# Altium PCB FlatSat Half1.PcbDoc (part 8 of 9) (continued)
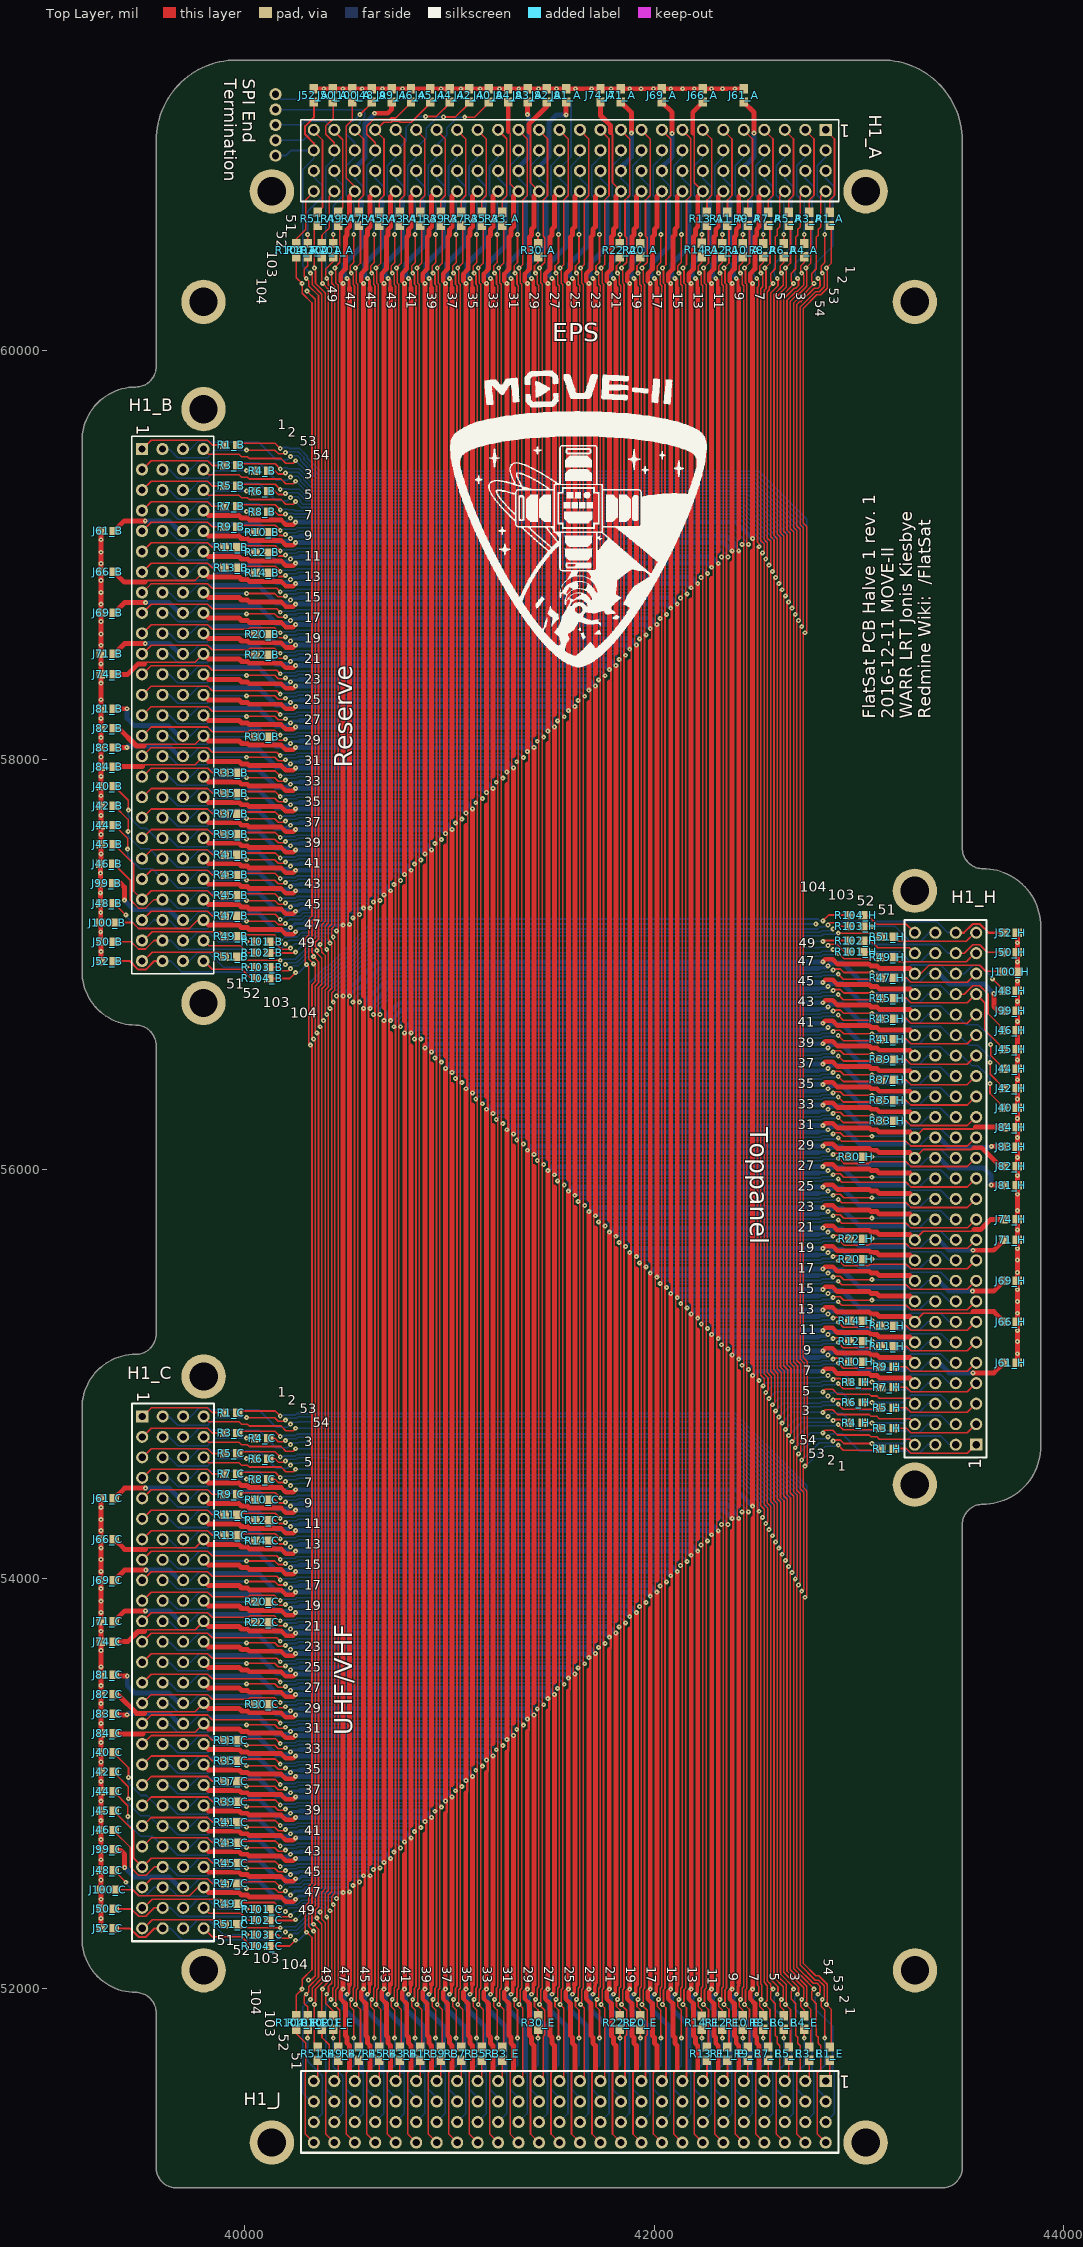
[diagram p0: Top Layer view]
## Nets (pads, with @x,y where several pads share a name; then routed paths per layer and width w, separated by ;. In a path a pad name is that pad's centre, name@x,y a point inside that pad or via, vN(x,y) a via of type N, cw(c..) or ccw(c..) an arc to the next point about the centre after c; other vN are vias at no path point) (continued)
NetH1_H_30: H1_H.30 R30_H.1 | length 486.5
  Top Layer w8: R30_H.1@43018.81,56061 v1(43062,56061)
  Bottom Layer w8: v1(43062,56061) 43216,56061 43252.47,56097.47 43398.53,56097.47 43440,56056 H1_H.30@43473,56056
NetH1_H_33: H1_H.33 R33_H.2 | length 427
  Top Layer w8: R33_H.2@43170.48,56236 43230.38,56236 43252.9,56213.47 43527.99,56213.47 H1_H.33@43570.52,56256
NetH1_H_35: H1_H.35 R35_H.1 | length 427
  Top Layer w8: R35_H.1@43170.48,56336 43230.38,56336 43252.9,56313.47 43527.99,56313.47 H1_H.35@43570.52,56356
NetH1_H_37: H1_H.37 R37_H.2 | length 427
  Top Layer w8: R37_H.2@43170.48,56436 43230.38,56436 43252.9,56413.47 43527.99,56413.47 H1_H.37@43570.52,56456
NetH1_H_39: H1_H.39 R39_H.2 | length 427
  Top Layer w8: R39_H.2@43170.48,56536 43230.38,56536 43252.9,56513.47 43527.99,56513.47 H1_H.39@43570.52,56556
NetH1_H_41: H1_H.41 R41_H.2 | length 427
  Top Layer w8: R41_H.2@43170.48,56636 43230.38,56636 43252.9,56613.47 43527.99,56613.47 H1_H.41@43570.52,56656
NetH1_H_43: H1_H.43 R43_H.2 | length 427
  Top Layer w8: R43_H.2@43170.48,56736 43230.38,56736 43252.9,56713.47 43527.99,56713.47 H1_H.43@43570.52,56756
NetH1_H_45: H1_H.45 J45_H.1 R45_H.2 | length 752.4
  Top Layer w8: R45_H.2@43170.48,56836 43230.38,56836 43252.9,56813.47 43527.99,56813.47 H1_H.45@43570.52,56856 ; H1_H.45@43572,56855 43613.53,56813.47 43613.53,56679.68 J45_H.1@43707.52,56585.69
NetH1_H_47: H1_H.47 R47_H.2 | length 427
  Top Layer w8: R47_H.2@43170.48,56936 43230.38,56936 43252.9,56913.47 43527.99,56913.47 H1_H.47@43570.52,56956
NetH1_H_49: H1_H.49 R49_H.2 | length 427
  Top Layer w8: R49_H.2@43170.48,57036 43193.01,57013.47 43523.05,57013.47 43565.57,57056 H1_H.49@43570.52,57056
NetH1_H_51: H1_H.51 R51_H.2 | length 427
  Top Layer w8: R51_H.2@43170.48,57136 43193.01,57113.47 43523.05,57113.47 43565.57,57156 H1_H.51@43570.52,57156
NetH1_H_101: H1_H.101 R101_H.1 | length 393.3
  Top Layer w8: R101_H.1@43010.48,57061 43048,57061 ; R101_H.1@43023.81,57061.33 R101_H.1@43033.81,57061.33
  Bottom Layer w8: v1(43062,57061) 43202,57061 43249.53,57013.47 43300.47,57013.47 43343,57056 H1_H.101@43370.52,57056
NetH1_H_102: H1_H.102 R102_H.2 | length 261.7
  Top Layer w8: R102_H.2@43033.81,57116.33 43034.14,57116 43056,57116 43091,57081 43245.52,57081 H1_H.102@43270.52,57056
NetH1_H_103: H1_H.103 R103_H.2 | length 383.7
  Top Layer w8: R103_H.2@43028,57186 R103_H.2@43038,57186 ; R103_H.2@43033.81,57186.33 v1@43051.33,57186.33
  Bottom Layer w8: v1(43062,57186) 43175,57186 43247.53,57113.47 43300.47,57113.47 43343,57156 H1_H.103@43370.52,57156
NetH1_H_104: H1_H.104 R104_H.1 | length 272.7
  Top Layer w8: R104_H.1@43033,57241 43040.94,57241 43086,57195.94 43230.58,57195.94 H1_H.104@43270.52,57156
PAYLOAD_SS1: R1_A.1 R1_B.1 R1_C.1 R1_E.1 R1_H.1 | length 16524.5
  Top Layer w8: R1_C.1@39965.48,54812 39965.48,54819.67 40148.33,54819.67 v1(40173,54795) ; R1_B.1@39965.48,59537 39965.48,59544.67 40148.33,59544.67 v1(40173,59520) ; 42728,54541 42728,54446 42745,54429 42745,53919 v1(42736,53910) 42728,53902 42728,52121.02 42788.02,52061 42803.25,52061 42845,52019.25 42845,51935 42840,51930 v1(42840,51921) 42864.67,51896.33 42864.67,51713.48 R1_E.1@42857,51713.48 ; v1@42728,54542 v1(42736,54550) 42747.25,54561.25 42747.25,55060.84 42728,55080.1 42728,58620 v1(42736,58620) ; v1@42744,58620 42744,59139.16 42728,59155.16 42728,60204.29 42793.71,60270 42812.25,60270 42845,60302.75 42845,60387 42840,60392 v1(42840,60401) 42864.67,60425.67 42864.67,60608.52 R1_A.1@42857,60608.52 ; v1(42898,54653) 42922.67,54628.33 43105.52,54628.33 R1_H.1@43105.52,54636
  Bottom Layer w8: v1(40173,54795) 40182,54795 40187,54800 40245.78,54800 40252.78,54807 42393.63,54807 42745,54455.63 42745,53920 v1@42735,53910 ; v1(40173,59520) 40182,59520 40187,59525 40212,59525 40217,59520 40267.2,59520 40304.82,59482.37 40304.82,59472.88 40369.71,59408 42510,59408 42744,59174 v1@42744,58620 ; v1@42738,54550 42836,54648 42884,54648 42889,54653 v1(42898,54653)
PAYLOAD_SS2: R3_A.1 R3_B.1 R3_C.1 R3_E.1 R3_H.1 | length 16050.1
  Top Layer w8: R3_C.1@39965.48,54712 39965.48,54719.67 40148.33,54719.67 v1(40173,54695) ; R3_B.1@39965.48,59437 39965.48,59444.67 40148.33,59444.67 v1(40173,59420) ; v1(42672,58740) 42664,58740 42664,55053.59 42683.25,55034.33 42683.25,54681.25 v1(42672,54670) 42664,54662 42664,54419.49 42681,54402.49 42681,54039 v1(42672,54030) 42664,54022 42664,52091.2 42745,52010.2 42745,51935 42740,51930 v1(42740,51921) 42764.67,51896.33 42764.67,51713.48 R3_E.1@42757,51713.48 ; v1@42680,58740 42680,59112.65 42664,59128.65 42664,60237.49 42696.51,60270 42703.2,60270 42745,60311.8 42745,60387 42740,60392 v1(42740,60401) 42764.67,60425.67 42764.67,60608.52 R3_A.1@42757,60608.52 ; v1(42898,54753) 42922.67,54728.33 43105.52,54728.33 R3_H.1@43105.52,54736
  Bottom Layer w8: v1(40173,54695) 40182,54695 40187,54700 40245.78,54700 40252.78,54707 42402.27,54707 42680,54429.27 42680,54062 ; v1(40173,59420) 40182,59420 40187,59425 40207,59425 40211,59421 40266.2,59421 40304,59383.2 40304,59373.71 40333.71,59344 42476.22,59344 42680,59140.22 v1@42680,58740 ; v1@42671,54028 42671,54041.06 42680,54050.06 42680,54060 ; v1(42672,54670) 42750,54748 42884,54748 42889,54753 v1(42898,54753)
PAYLOAD_SS3: R5_A.1 R5_B.1 R5_C.1 R5_E.1 R5_H.1 | length 15582.3
  Top Layer w8: R5_C.1@39965.48,54612 39965.48,54619.67 40148.33,54619.67 v1(40173,54595) ; R5_B.1@39965.48,59337 39965.48,59344.67 40148.33,59344.67 v1(40173,59320) ; v1(42608,58860) 42600,58860 42600,55027.08 42619.25,55007.82 42619.25,54801.25 v1(42608,54790) 42600,54782 42600,54390.37 42617,54373.37 42617,54159 v1(42608,54150) 42600,54142 42600,52062 42645,52017 42645,51935 42640,51930 v1(42640,51921) 42664.67,51896.33 42664.67,51713.48 R5_E.1@42657,51713.48 ; v1@42616,58860 42616,59086.14 42600,59102.14 42600,60264 42645,60309 42645,60387 42640,60392 v1(42640,60401) 42664.67,60425.67 42664.67,60608.52 R5_A.1@42657,60608.52 ; v1(42898,54853) 42922.67,54828.33 43105.52,54828.33 R5_H.1@43105.52,54836
  Bottom Layer w8: v1(40173,54595) 40182,54595 40187,54600 40245.78,54600 40252.78,54607 42411.76,54607 42616,54402.76 42616,54170.06 42608,54162.06 v1@42608,54151 ; v1(40173,59320) 40177,59324 40209,59324 40213,59320 40267.2,59320 40307.2,59280 42449.71,59280 42616,59113.71 v1@42616,58860 ; v1(42608,54790) 42659,54841 42818.22,54841 42825.22,54848 42884,54848 42889,54853 v1(42898,54853)
PAYLOAD_SS4: R7_A.1 R7_B.1 R7_C.1 R7_E.1 R7_H.1 | length 15133.1
  Top Layer w8: R7_C.1@39965.48,54512 39965.48,54519.67 40148.33,54519.67 v1(40173,54495) ; R7_B.1@39965.48,59237 39965.48,59244.67 40148.33,59244.67 v1(40173,59220) ; v1(42544,58980) 42536,58980 42536,55000.57 42555.25,54981.31 42555.25,54921.25 v1(42544,54910) 42536,54902 42536,54362.57 42553,54345.57 42553,54279 v1(42544,54270) 42536,54262 42536,52029 42552,52013 42552,51942 42540,51930 v1(42540,51921) 42564.67,51896.33 42564.67,51713.48 R7_E.1@42557,51713.48 ; v1@42552,58980 42552,59059.63 42536,59075.63 42536,60292 42545,60301 42545,60387 42540,60392 v1(42540,60401) 42564.67,60425.67 42564.67,60608.52 R7_A.1@42557,60608.52 ; v1(42898,54953) 42922.67,54928.33 43105.52,54928.33 R7_H.1@43105.52,54936
  Bottom Layer w8: v1(40173,54495) 40182,54495 40187,54500 40245.78,54500 40252.78,54507 42421.25,54507 42552,54376.25 42552,54279 v1@42543,54270 ; v1(40173,59220) 40177,59224 40209,59224 40213,59220 40239.57,59220 40243.57,59216 42423.2,59216 42552,59087.2 v1@42552,58980 ; v1@42544,54911 42574,54941 42818.22,54941 42825.22,54948 42884,54948 42889,54953 v1(42898,54953)
PAYLOAD_SS5: R9_A.1 R9_B.1 R9_C.1 R9_E.1 R9_H.1 | length 14716
  Top Layer w8: R9_C.1@39965.48,54412 39965.48,54419.67 40148.33,54419.67 v1(40173,54395) ; R9_B.1@39965.48,59137 39965.48,59144.67 40148.33,59144.67 v1(40173,59120) ; R9_E.1@42457,51713.48 42464.67,51713.48 42464.67,51896.33 v1(42440,51921) 42440,51930 42445,51935 42445,51993.78 42452,52000.78 42452,60321.22 42445,60328.22 42445,60387 42440,60392 v1(42440,60401) 42464.67,60425.67 42464.67,60608.52 R9_A.1@42457,60608.52 ; v1(42898,55053) 42922.67,55028.33 43105.52,55028.33 R9_H.1@43105.52,55036
  Bottom Layer w8: v1(40173,54395) 40182,54395 40187,54400 40245.78,54400 40252.78,54407 42382,54407 v1@42460,54329 ; v1(40173,59120) 40182,59120 40187,59125 40245.78,59125 40252.78,59132 42382,59132 v1@42460,59054 ; v1(42460,55023) 42478,55041 42818.22,55041 42825.22,55048 42884,55048 42889,55053 v1(42898,55053)
  other v1: 42460,54327 42460,59052
PCM_IN_1: H1_A.87 H1_B.87 H1_C.87 H1_H.87 H1_J.87 | length 14992.3
  Top Layer w8: v1(41112,53035) 41104,53043 41104,53087 41112,53095 ; 41112,56313 41104,56321 41104,56365 v1(41112,56373) ; v1(41112,57760) 41104,57768 41104,57812 41112,57820
  Top Layer w16: v1(41100,51971) 41109,51980 41109,52010 41112,52013 41112,52018 ; v1(41100,60351) 41109,60342 41109,60312 41112,60309 41112,60304
  Top Layer w24: 41112,52018 v1(41112,53035) ; 41112,53095 41112,56313 ; v1(41112,56373) v1(41112,57760) ; 41112,57820 41112,60304
  Bottom Layer w8: H1_C.87@39698,53092 39735,53092 39777.53,53134.53 39823.47,53134.53 39833,53125 39848,53125 ; H1_B.87@39698,57817 39735,57817 39776.53,57858.53 39824.47,57858.53 39833,57850 39848,57850 ; H1_J.87@41137,51347 41178.53,51388.53 41178.53,51587.47 41170,51596 ; H1_A.87@41137,60876 41137,60839 41178.53,60797.47 41178.53,60749.53 41170,60741 41170,60726 ; 43223,56323 43238,56323 43247.53,56313.47 43293.47,56313.47 43336,56356 H1_H.87@43373,56356
  Bottom Layer w16: v1(40223,53055) 40232,53064 40262,53064 ; v1(40223,57780) 40232,57789 40262,57789 ; 40265,53067 40270,53067 ; 40265,57792 40270,57792 ; 42801,56381 42806,56381 ; 42809,56384 42839,56384 v1(42848,56393)
  Bottom Layer w22: 40208,53040 v1(40223,53055) ; 40208,57765 v1(40223,57780) ; 41085,51956 v1(41100,51971) ; 41085,60366 v1(41100,60351) ; v1(42848,56393) 42863,56408
  Bottom Layer w24: 39848,53125 40068,53125 40153,53040 40208,53040 ; 39848,57850 40068,57850 40153,57765 40208,57765 ; 40270,53067 41080,53067 v1(41112,53035) ; 40270,57792 41080,57792 v1(41112,57760) ; 41085,51956 41085,51901 41170,51816 41170,51596 ; 41085,60366 41085,60421 41170,60506 41170,60726 ; v1(41112,56373) 41120,56381 42801,56381 ; 42863,56408 42918,56408 43003,56323 43223,56323
PCM_IN_2: H1_A.88 H1_B.88 H1_C.88 H1_H.88 H1_J.88 | length 14491.5
  Top Layer w8: 41080,57680 41088,57688 41088,57732 v1(41080,57740) ; 41112,51604 41095.47,51587.47 41095.47,51288.53 H1_J.88@41137,51247
  Top Layer w12: 41080,52955 41086,52961 41086,53009 v1(41080,53015) ; v1@41080,56394 41086,56400 41086,56447 41080,56453
  Top Layer w22: 40177,53046 40200,53023 40236.25,53023 v1@40248.13,53034.87 ; 40177,57771 40200,57748 40236.25,57748 v1@40248.13,57759.87 ; v1@41079.87,51996.13 41068,51984.25 41068,51948 41091,51925 ; v1@41079.87,60325.87 41068,60337.75 41068,60374 41091,60397 ; v1(41080,51996) 41080,52954 ; v1(41080,56393) v1@41080,56394 ; 42834.75,56425 42871,56425 42894,56402
  Top Layer w24: H1_C.88@39798,53092 39823,53067 39972,53067 39984,53055 40012.6,53055 40021.6,53046 40177,53046 ; H1_B.88@39798,57817 39823,57792 39972,57792 39984,57780 40012.6,57780 40021.6,57771 40177,57771 ; v1(41080,53015) v1(41080,56393) ; 41080,56453 41080,57680 ; v1(41080,57740) v1(41080,60326) ; 41091,51925 41091,51769.6 41100,51760.6 41100,51732 41112,51720 41112,51604 ; 41091,60397 41091,60552.4 41100,60561.4 41100,60590 41112,60602 41112,60751 H1_A.88@41137,60776 ; 42894,56402 43049.4,56402 43058.4,56393 43087,56393 43099,56381 43248,56381 H1_H.88@43273,56356
  Bottom Layer w24: v1(40248,53035) 41060,53035 v1(41080,53015) ; v1(40248,57760) 41060,57760 v1(41080,57740) ; v1(41080,56393) 41100,56413 v1(42823,56413)
PWM2SMARD_A: R12_A.2 R12_B.2 R12_C.2 R12_E.2 R12_H.2 | length 13747.3
  Top Layer w8: R12_C.2@40117.15,54287 R12_C.2@40117.48,54287 40146,54287 40163,54270 40193,54270 v1(40198,54275) ; R12_B.2@40117.15,59012 R12_B.2@40117.48,59012 40146,59012 40163,58995 40193,58995 v1(40198,59000) ; R12_E.2@42332,51865.15 R12_E.2@42332,51865.48 42332,51894 42315,51911 42315,51941 v1(42320,51946) 42329,51955 42329,52000.41 42336.03,52007.44 42336.03,52027.32 ; R12_A.2@42332,60456.85 R12_A.2@42332,60456.52 42332,60428 42315,60411 42315,60381 v1(42320,60376) 42329,60367 42329,60321.59 42336,60314.59 42336,52027.35 ; v1(42873,55173) 42878,55178 42908,55178 42925,55161 R12_H.2@42953.52,55161 R12_H.2@42953.85,55161
  Bottom Layer w8: v1(40198,54275) 40207,54284 40252.41,54284 40259.41,54291 42303,54291 v1@42329,54265 ; v1(40198,59000) 40207,59009 40252.41,59009 40259.41,59016 42303,59016 v1@42329,58990 ; v1(42328,55143) 42342,55157 42811.59,55157 42818.59,55164 42864,55164 v1(42873,55173)
  other v1: 42328,54265 42328,58990
PWM2SMARD_B: R14_A.2 R14_B.2 R14_C.2 R14_E.2 R14_H.2 | length 13643.9
  Top Layer w8: R14_C.2@40117.15,54187 40146,54187 40163,54170 40193,54170 v1(40198,54175) ; R14_B.2@40117.15,58912 40146,58912 40163,58895 40193,58895 v1(40198,58900) ; R14_E.2@42232,51865.15 42232,51894 42215,51911 42215,51941 v1(42220,51946) 42229,51955 42229,52000.41 42236,52007.41 42236,60314.59 42229,60321.59 42229,60367 v1(42220,60376) 42215,60381 42215,60411 42232,60428 R14_A.2@42232,60456.85 ; v1(42873,55273) 42878,55278 42908,55278 42925,55261 R14_H.2@42953.85,55261
  Bottom Layer w8: v1(40198,54175) 40207,54184 40252.41,54184 40259.41,54191 42202,54191 v1(42228,54165) ; v1(40198,58900) 40207,58909 40252.41,58909 40259.41,58916 42202,58916 v1(42228,58890) ; v1(42229,55244) 42242,55257 42811.59,55257 42818.59,55264 42864,55264 v1(42873,55273)
RBF_SW_1: H1_A.89 H1_B.89 H1_C.89 H1_H.89 H1_J.89 | length 14892.3
  Top Layer w8: v1(41012,52935) 41004,52943 41004,52987 41012,52995 ; 41012,56413 41004,56421 41004,56465 v1(41012,56473) ; v1(41012,57660) 41004,57668 41004,57712 41012,57720
  Top Layer w16: v1(41000,51971) 41009,51980 41009,52010 41012,52013 41012,52018 ; v1(41000,60351) 41009,60342 41009,60312 41012,60309 41012,60304
  Top Layer w24: 41012,52018 v1(41012,52935) ; 41012,52995 41012,56413 ; v1(41012,56473) v1(41012,57660) ; 41012,57720 41012,60304
  Bottom Layer w8: H1_C.89@39698,52992 39735,52992 39777.53,53034.53 39823.47,53034.53 39833,53025 39848,53025 ; H1_B.89@39698,57717 39735,57717 39776.53,57758.53 39824.47,57758.53 39833,57750 39848,57750 ; H1_J.89@41037,51347 41078.53,51388.53 41078.53,51587.47 41070,51596 ; H1_A.89@41037,60876 41037,60839 41078.53,60797.47 41078.53,60749.53 41070,60741 41070,60726 ; 43223,56423 43238,56423 43247.53,56413.47 43293.47,56413.47 43336,56456 H1_H.89@43373,56456
  Bottom Layer w16: v1(40223,52955) 40232,52964 40262,52964 ; v1(40223,57680) 40232,57689 40262,57689 ; 40265,52967 40270,52967 ; 40265,57692 40270,57692 ; 42801,56481 42806,56481 ; 42809,56484 42839,56484 v1(42848,56493)
  Bottom Layer w22: 40208,52940 v1(40223,52955) ; 40208,57665 v1(40223,57680) ; 40985,51956 v1(41000,51971) ; 40985,60366 v1(41000,60351) ; v1(42848,56493) 42863,56508
  Bottom Layer w24: 39848,53025 40068,53025 40153,52940 40208,52940 ; 39848,57750 40068,57750 40153,57665 40208,57665 ; 40270,52967 40980,52967 v1(41012,52935) ; 40270,57692 40980,57692 v1(41012,57660) ; 40985,51956 40985,51901 41070,51816 41070,51596 ; 40985,60366 40985,60421 41070,60506 41070,60726 ; v1(41012,56473) 41020,56481 42801,56481 ; 42863,56508 42918,56508 43003,56423 43223,56423
RBF_SW_2: H1_A.90 H1_B.90 H1_C.90 H1_H.90 H1_J.90 | length 14409.2
  Top Layer w8: 40980,57580 40988,57588 40988,57632 v1(40980,57640) ; 41012,51604 40995.47,51587.47 40995.47,51288.53 H1_J.90@41037,51247
  Top Layer w12: 40980,52855 40986,52861 40986,52909 v1(40980,52915) ; v1@40980,56492 40986,56498 40986,56547 40980,56553
  Top Layer w22: 40177,52946 40200,52923 40236.25,52923 v1@40248.13,52934.87 ; 40177,57671 40200,57648 40236.25,57648 v1@40248.13,57659.87 ; v1@40979.87,51996.13 40968,51984.25 40968,51948 40991,51925 ; v1@40979.87,60325.87 40968,60337.75 40968,60374 40991,60397 ; v1(40980,51996) 40980,52855 ; v1@42822.87,56513.13 42834.75,56525 42871,56525 42894,56502
  Top Layer w24: H1_C.90@39798,52992 39823,52967 39972,52967 39984,52955 40012.6,52955 40021.6,52946 40177,52946 ; H1_B.90@39798,57717 39823,57692 39972,57692 39984,57680 40012.6,57680 40021.6,57671 40177,57671 ; v1(40980,52915) v1@40980,56492 ; 40980,56553 40980,57580 ; v1(40980,57640) v1(40980,60326) ; 40991,51925 40991,51769.6 41000,51760.6 41000,51732 41012,51720 41012,51604 ; 40991,60397 40991,60552.4 41000,60561.4 41000,60590 41012,60602 41012,60751 H1_A.90@41037,60776 ; 42894,56502 43049.4,56502 43058.4,56493 43087,56493 43099,56481 43248,56481 H1_H.90@43273,56456
  Bottom Layer w24: v1(40248,52935) 40960,52935 v1(40980,52915) ; v1(40248,57660) 40960,57660 v1(40980,57640) ; v1(40980,56493) 41000,56513 v1(42823,56513)
RESERVED_1: H1_A.2 H1_B.2 H1_C.2 H1_H.2 H1_J.2 | length 18283.2
  Top Layer w8: v1(40009,54787) 40146,54787 40163,54770 40193,54770 v1(40198,54775) ; v1(40009,59512) 40146,59512 40163,59495 40193,59495 v1(40198,59500) ; v1(42720,58650) 42712,58650 42712,55073.47 42731.25,55054.22 42731.25,54591.25 v1(42720,54580) 42712,54572 42712,54439.37 42729,54422.37 42729,53949 v1(42720,53940) 42712,53932 42712,52114.39 42786.2,52040.2 42801.43,52040.2 42829,52012.63 42829,51955 v1(42820,51946) 42815,51941 42815,51911 42832,51894 v1(42832,51757) ; v1@42728,58650 42728,59132.53 42712,59148.53 42712,60210.92 42787.08,60286 42805.63,60286 42829,60309.37 42829,60367 v1(42820,60376) 42815,60381 42815,60411 42832,60428 v1(42832,60565) ; v1(42873,54673) 42878,54678 42908,54678 42925,54661 v1(43062,54661)
  Bottom Layer w8: H1_C.2@39598,54792 39631,54792 39672.47,54750.53 39818.53,54750.53 39855,54787 v1(40009,54787) ; H1_B.2@39598,59517 39631,59517 39673,59475 39818,59475 39855,59512 v1(40009,59512) ; v1(40198,54775) 40207,54784 40252.41,54784 40259.41,54791 42387,54791 42729,54449 42729,53949 v1(42720,53940) ; v1(40198,59500) 40202,59504 40260.57,59504 40288.82,59475.75 40288.82,59466.25 40352,59403.08 40352,59396.45 40356.45,59392 42500,59392 42728,59164 v1@42728,58650 ; v1@42722,54580 42806,54664 42864,54664 v1(42873,54673) ; v1(42832,51757) 42832,51624 42795.47,51587.47 42795.47,51507.53 42837,51466 H1_J.2@42837,51447 ; v1(42832,60565) 42832,60719 42795,60756 42795,60901 42837,60943 H1_A.2@42837,60976 ; v1(43062,54661) 43216,54661 43252.47,54697.47 43398.53,54697.47 43440,54656 H1_H.2@43473,54656
RESERVED_2: H1_A.53 H1_B.53 H1_C.53 H1_H.53 H1_J.53 | length 17981.3
  Top Layer w8: 42696,54601 42696,54432.75 42713,54415.75 42713,53979 v1(42704,53970) 42696,53962 42696,52104.63 42776.43,52024.2 42794.8,52024.2 42809,52010 42809,51980 v1(42800,51971) ; v1@42696,54602 v1(42704,54610) 42715.25,54621.25 42715.25,55047.59 42696,55066.84 42696,58680 v1(42704,58680) ; v1@42712,58680 42712,59125.9 42696,59141.9 42696,60223.37 42710.63,60238 42716.45,60238 42780.45,60302 42799,60302 42809,60312 42809,60342 v1(42800,60351)
  Bottom Layer w8: H1_C.53@39698,54792 39735,54792 39778,54835 39823,54835 39833,54825 40068,54825 40153,54740 40208,54740 v1(40223,54755) 40232,54764 40262,54764 40265,54767 42387.53,54767 42712,54442.53 42712,53977 v1@42705,53970 ; H1_B.53@39698,59517 39735,59517 39776.53,59558.53 39824.47,59558.53 39833,59550 40068,59550 40153,59465 40208,59465 v1(40223,59480) 40227,59484 40257.94,59484 40272.82,59469.12 40272.82,59459.63 40336,59396.45 40336,59386.96 40346.96,59376 42489.47,59376 42712,59153.47 v1@42712,58680 ; v1(42704,54610) 42778,54684 42839,54684 v1(42848,54693) 42863,54708 42918,54708 43003,54623 43238,54623 43248,54613 43293,54613 43336,54656 H1_H.53@43373,54656 ; v1(42800,51971) 42785,51956 42785,51901 42870,51816 42870,51596 42878.53,51587.47 42878.53,51388.53 H1_J.53@42837,51347 ; v1(42800,60351) 42785,60366 42785,60421 42870,60506 42870,60741 42878.53,60749.53 42878.53,60797.47 42837,60839 H1_A.53@42837,60876
RESERVED_3: H1_A.55 H1_B.55 H1_C.55 H1_H.55 H1_J.55 | length 17503.1
  Top Layer w8: v1(42640,58800) 42632,58800 42632,55040.33 42651.25,55021.08 42651.25,54741.25 v1(42640,54730) 42632,54722 42632,54405.37 42649,54388.37 42649,54099 v1(42640,54090) 42632,54082 42632,52077.94 42704,52005.94 42704,51967 v1(42700,51971) ; v1@42648,58800 42648,59099.39 42632,59115.39 42632,60250.75 42683.25,60302 42689.94,60302 42704,60316.06 42704,60337 42709,60342 v1(42700,60351)
  Bottom Layer w8: H1_C.55@39698,54692 39735,54692 39777.53,54734.53 39823.47,54734.53 39833,54725 40068,54725 40153,54640 40208,54640 v1(40223,54655) 40232,54664 40262,54664 40265,54667 42397.02,54667 42648,54416.02 42648,54098 v1(42640,54090) ; H1_B.55@39698,59417 39735,59417 39776.53,59458.53 39824.47,59458.53 39833,59450 40068,59450 40153,59365 40208,59365 v1(40223,59380) 40227,59384 40257.94,59384 40272,59369.94 40272,59360.45 40320.45,59312 42462.96,59312 42648,59126.96 v1@42648,58800 ; v1(42640,54730) 42694,54784 42839,54784 v1(42848,54793) 42863,54808 42918,54808 43003,54723 43238,54723 43247.53,54713.47 43293.47,54713.47 43336,54756 H1_H.55@43373,54756 ; v1(42700,51971) 42685,51956 42685,51901 42770,51816 42770,51596 42778.53,51587.47 42778.53,51388.53 H1_J.55@42737,51347 ; v1(42700,60351) 42685,60366 42685,60421 42770,60506 42770,60741 42778.53,60749.53 42778.53,60797.47 42737,60839 H1_A.55@42737,60876
RESERVED_4: H1_A.57 H1_B.57 H1_C.57 H1_H.57 H1_J.57 | length 17033.4
  Top Layer w8: v1(42576,58920) 42568,58920 42568,55013.82 42587.25,54994.57 42587.25,54861.25 v1(42576,54850) 42568,54842 42568,54377.12 42585,54360.12 42585,54219 v1(42576,54210) 42568,54202 42568,52043.25 42604,52007.25 42604,51985 42600,51981 v1(42600,51971) ; v1@42584,58920 42584,59072.88 42568,59088.88 42568,60278.75 42604,60314.75 42604,60337 42609,60342 v1(42600,60351)
  Bottom Layer w8: H1_C.57@39698,54592 39735,54592 39777.53,54634.53 39823.47,54634.53 39833,54625 40068,54625 40153,54540 40208,54540 v1(40223,54555) 40232,54564 40262,54564 40265,54567 42406.51,54567 42584,54389.51 42584,54219 v1@42577,54212 ; H1_B.57@39698,59317 39735,59317 39776.53,59358.53 39824.47,59358.53 39833,59350 40068,59350 40153,59265 40208,59265 v1(40223,59280) 40227,59284 40257.94,59284 40272,59269.94 40272,59258.63 40282.63,59248 42436.45,59248 42584,59100.45 v1@42584,58920 ; v1@42576,54851 42606,54881 42806,54881 42809,54884 42839,54884 v1(42848,54893) 42863,54908 42918,54908 43003,54823 43238,54823 43247.53,54813.47 43293.47,54813.47 43336,54856 H1_H.57@43373,54856 ; v1(42600,51971) 42585,51956 42585,51901 42670,51816 42670,51596 42678.53,51587.47 42678.53,51388.53 H1_J.57@42637,51347 ; v1(42600,60351) 42585,60366 42585,60421 42670,60506 42670,60741 42678.53,60749.53 42678.53,60797.47 42637,60839 H1_A.57@42637,60876
RESERVED_5: H1_A.59 H1_B.59 H1_C.59 H1_H.59 H1_J.59 | length 16556.2
  Top Layer w8: v1(42500,51971) 42509,51980 42509,52010 42504,52015 42504,54322 v1(42512,54330) 42504,54338 42504,54960 v1(42512,54968) 42504,54976 42504,59040 v1(42512,59040) ; v1(42500,60351) 42509,60342 42509,60312 42504,60307 42504,59062.37 42520,59046.37 v1@42520,59040
  Bottom Layer w8: H1_C.59@39698,54492 39735,54492 39777.53,54534.53 39823.47,54534.53 39833,54525 40068,54525 40153,54440 40208,54440 v1(40223,54455) 40232,54464 40262,54464 40265,54467 42416,54467 42512,54371 v1(42512,54330) ; H1_B.59@39698,59217 39735,59217 39776.53,59258.53 39824.47,59258.53 39833,59250 40068,59250 40153,59165 40208,59165 v1(40223,59180) 40227,59184 42409.94,59184 42520,59073.94 v1@42520,59040 ; v1(42500,51971) 42485,51956 42485,51901 42570,51816 42570,51596 42578.53,51587.47 42578.53,51388.53 H1_J.59@42537,51347 ; v1(42500,60351) 42485,60366 42485,60421 42570,60506 42570,60741 42578.53,60749.53 42578.53,60797.47 42537,60839 H1_A.59@42537,60876 ; v1@42511,54968 42524,54981 42806,54981 42809,54984 42839,54984 v1(42848,54993) 42863,55008 42918,55008 43003,54923 43238,54923 43247.53,54913.47 43293.47,54913.47 43336,54956 H1_H.59@43373,54956
RESERVED_6: H1_A.54 H1_B.54 H1_C.54 H1_H.54 H1_J.54 | length 17388.2
  Top Layer w8: H1_C.54@39798,54792 39823,54767 39972,54767 39984,54755 40012.6,54755 40021.6,54746 40177,54746 40200,54723 40236.25,54723 v1@40248.13,54734.87 ; H1_B.54@39798,59517 39823,59492 39972,59492 39984,59480 40012.6,59480 40021.6,59471 40177,59471 40200,59448 40236.25,59448 v1@40248.13,59459.87 ; v1(42688,58710) 42680,58710 42680,55060.22 42699.25,55040.96 42699.25,54651.25 v1(42688,54640) 42680,54632 42680,54426.12 42697,54409.12 42697,54009 v1(42688,54000) 42680,53992 42680,52098 42749,52029 42749,52028.82 42780,51997.82 v1(42780,51996) ; v1@42696,58710 42696,59119.27 42680,59135.27 42680,60230 42704,60254 42709.82,60254 42780,60324.18 v1(42780,60326) ; v1@42779.87,51996.13 42768,51984.25 42768,51948 42791,51925 42791,51769.6 42800,51760.6 42800,51732 42812,51720 42812,51604 42795.47,51587.47 42795.47,51288.53 H1_J.54@42837,51247 ; v1@42779.87,60325.87 42768,60337.75 42768,60374 42791,60397 42791,60552.4 42800,60561.4 42800,60590 42812,60602 42812,60751 H1_A.54@42837,60776 ; v1@42822.87,54713.13 42834.75,54725 42871,54725 42894,54702 43049.4,54702 43058.4,54693 43087,54693 43099,54681 43248,54681 H1_H.54@43273,54656
  Bottom Layer w8: v1(40248,54735) 42396.9,54735 42696,54435.9 42696,54020.06 42688,54012.06 v1(42688,54000) ; v1(40248,59460) 40271,59437 40272.82,59437 40320,59389.82 40320,59380.33 40340.33,59360 42482.84,59360 42696,59146.84 v1@42696,58710 ; v1(42688,54640) 42761,54713 v1(42823,54713)
RESERVED_7: H1_A.56 H1_B.56 H1_C.56 H1_H.56 H1_J.56 | length 16924.4
  Top Layer w8: H1_C.56@39798,54692 39823,54667 39972,54667 39984,54655 40012.6,54655 40021.6,54646 40177,54646 40200,54623 40236.25,54623 v1@40248.13,54634.87 ; H1_B.56@39798,59417 39823,59392 39972,59392 39984,59380 40012.6,59380 40021.6,59371 40177,59371 40200,59348 40236.25,59348 v1@40248.13,59359.87 ; v1(42624,58830) 42616,58830 42616,55033.71 42635.25,55014.45 42635.25,54771.25 v1(42624,54760) 42616,54752 42616,54397 42633,54380 42633,54129 v1(42624,54120) 42616,54112 42616,52070 42680,52006 v1(42680,51996) ; v1@42632,58830 42632,59092.76 42616,59108.76 42616,60257.37 42680,60321.37 v1(42680,60326) ; v1@42679.87,51996.13 42668,51984.25 42668,51948 42691,51925 42691,51769.6 42700,51760.6 42700,51732 42712,51720 42712,51604 42695.47,51587.47 42695.47,51288.53 H1_J.56@42737,51247 ; v1@42679.87,60325.87 42668,60337.75 42668,60374 42691,60397 42691,60552.4 42700,60561.4 42700,60590 42712,60602 42712,60751 H1_A.56@42737,60776 ; v1@42822.87,54813.13 42834.75,54825 42871,54825 42894,54802 43049.4,54802 43058.4,54793 43087,54793 43099,54781 43248,54781 H1_H.56@43273,54756
  Bottom Layer w8: v1(40248,54635) 42406.39,54635 42632,54409.39 42632,54140.06 42624,54132.06 v1(42624,54120) ; v1(40248,59360) 40249.82,59360 40313.82,59296 42456.33,59296 42632,59120.33 v1@42632,58830 ; v1(42624,54760) 42624,54762 42675,54813 v1(42823,54813)